# Altium PCB StEth32_modLED.PcbDoc (continued)
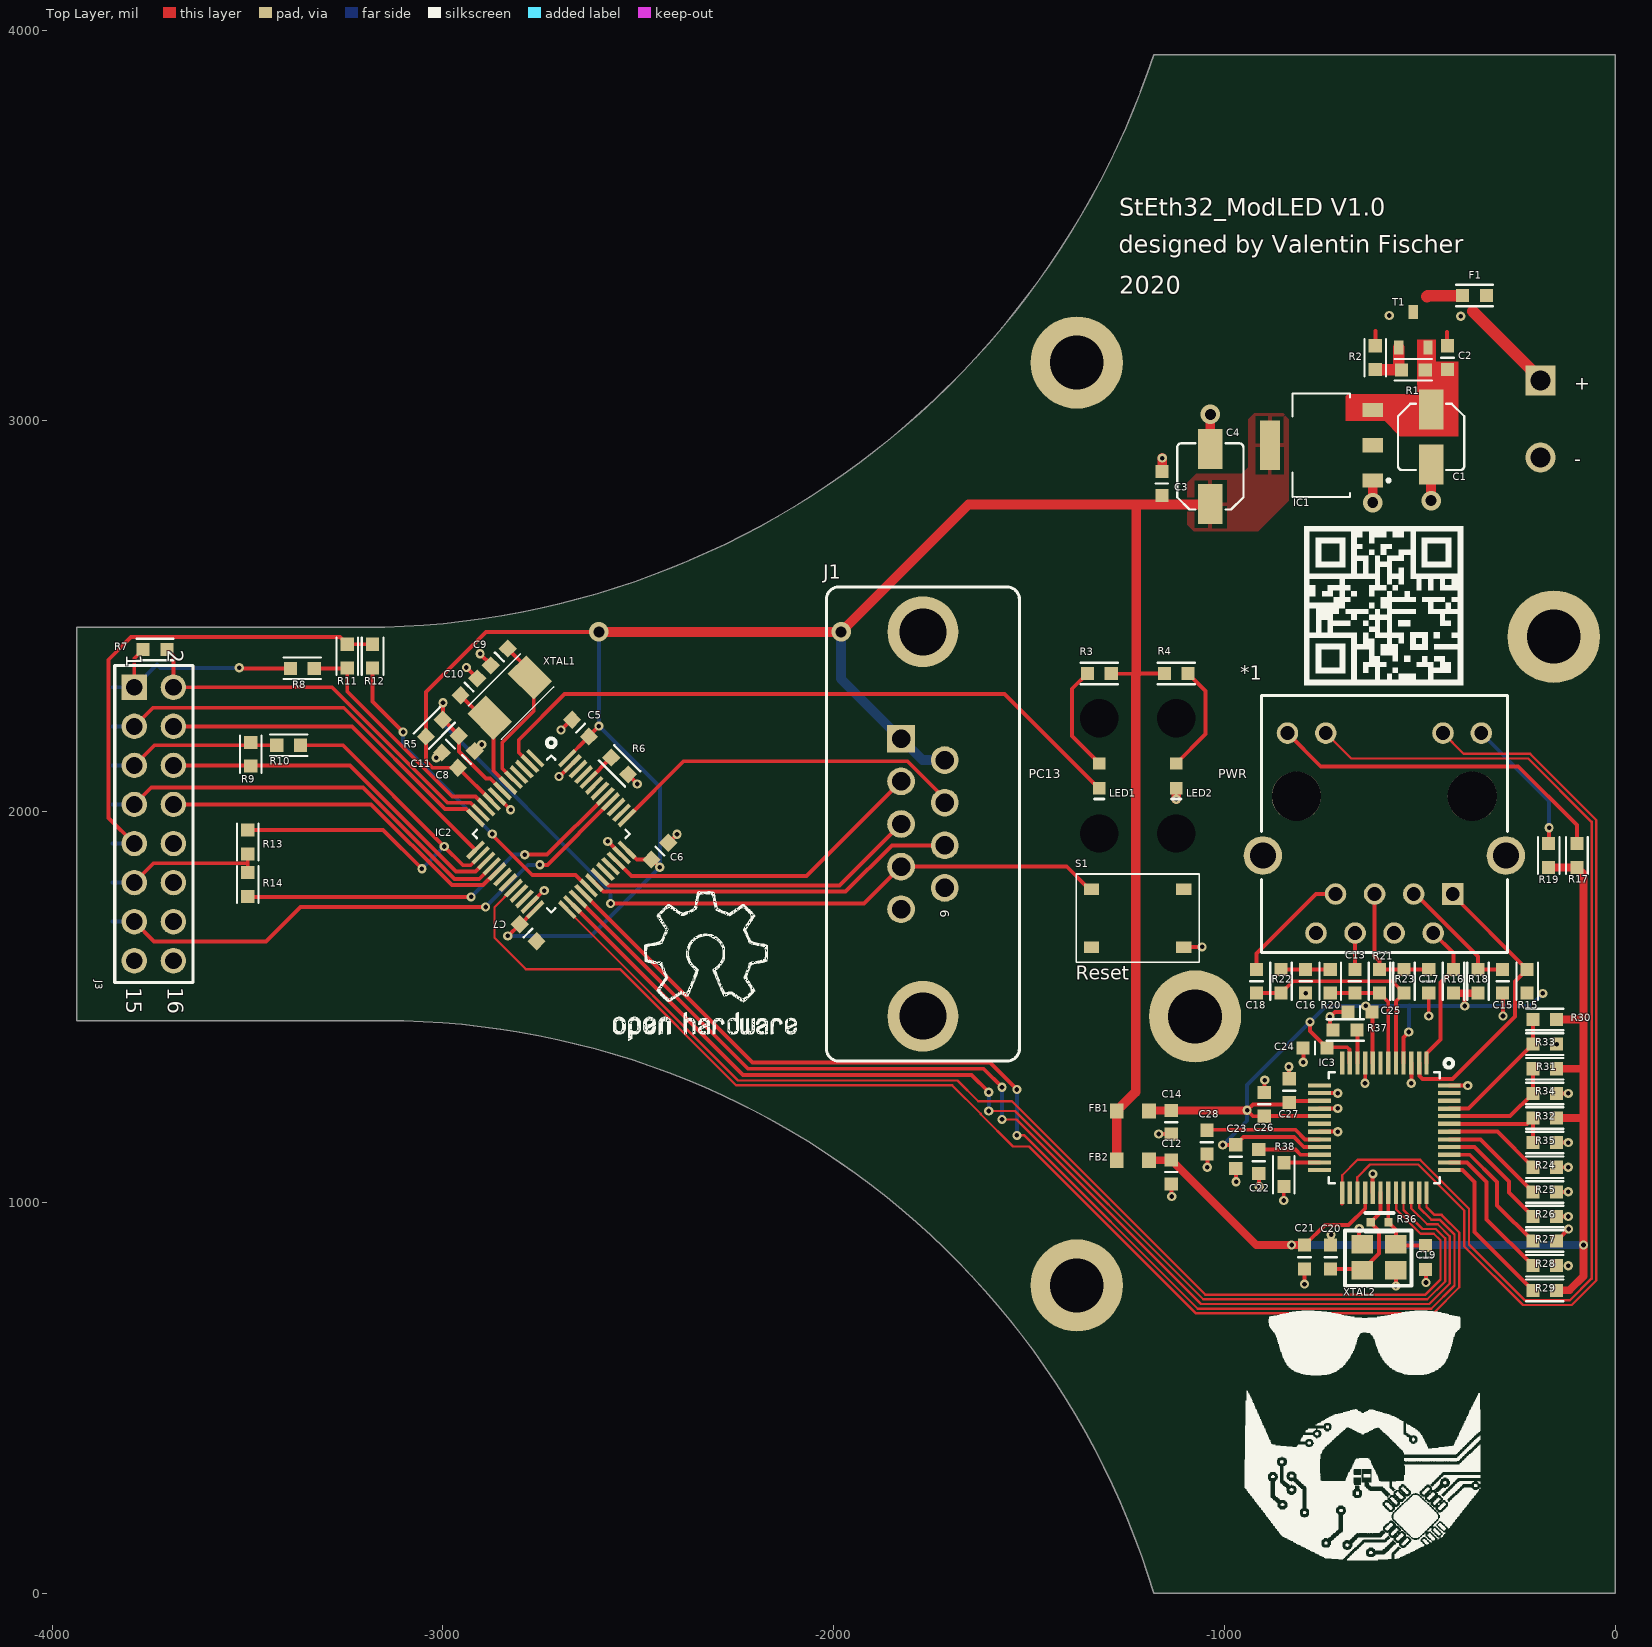
[diagram p0: Top Layer view]
## Part data (continued)
C16 C22: library part GCJ188R71C104KA01D, "CAP CER 0.1UF 16V X7R 0603", Digi-Key Part Number=490-5796-1-ND, Manufacturer="Murata Electronics North America", Operating Temperature="-55°C ~ 125°C", Package / Case="0603 (1608 Metric)", Ratings=AEC-Q200, Temperature Coefficient=X7R, Tolerance=±10%, Voltage=16V, @ qty=0, Applications="Automotive, Boardflex Sensitive", Datasheets=http://www.murata.com/~/media/webrenewal/support/library/catalog/products/capacitor/mlcc/c03e.ashx, Factory Stock=0, Features="Soft Termination", Height - Seated (Max)=-, Image=//media.digikey.com/Renders/Murata%20Renders/0603%28LQG18%29.jpg, Lead Spacing=-, Lead Style=-, Minimum Quantity=1, Mounting Type="Surface Mount, MLCC", Packaging="Cut Tape (CT)", Part Number=GCJ188R71C104KA01D, Part Status=Active, Quantity Available=22473, Series=GCJ, Size / Dimension="0.063\" L x 0.031\" W (1.60mm x 0.80mm)", Thickness (Max)="0.035\" (0.90mm)", Unit Price (USD)=0.21
C17: library part GCJ188R71H103KA01D, "CAP CER 10000PF 50V X7R 0603", Digi-Key Part Number=490-5762-1-ND, Manufacturer="Murata Electronics North America", Operating Temperature="-55°C ~ 125°C", Package / Case="0603 (1608 Metric)", Ratings=AEC-Q200, Temperature Coefficient=X7R, Tolerance=±10%, Voltage=50V, @ qty=0, Applications="Automotive, Boardflex Sensitive", Datasheets=http://www.murata.com/~/media/webrenewal/support/library/catalog/products/capacitor/mlcc/c03e.ashx, Factory Stock=0, Features="Soft Termination", Height - Seated (Max)=-, Image=//media.digikey.com/Renders/Murata%20Renders/0603%28LQG18%29.jpg, Lead Spacing=-, Lead Style=-, Minimum Quantity=1, Mounting Type="Surface Mount, MLCC", Packaging="Cut Tape (CT)", Part Number=GCJ188R71H103KA01D, Part Status=Active, Quantity Available=34868, Series=GCJ, Size / Dimension="0.063\" L x 0.031\" W (1.60mm x 0.80mm)", Thickness (Max)="0.031\" (0.80mm)", Unit Price (USD)=0.19
C21: library part GCM188R71C104KA37J, "CAP CER 0.1UF 16V X7R 0603", Digi-Key Part Number=490-8015-1-ND, Manufacturer="Murata Electronics North America", Operating Temperature="-55°C ~ 125°C", Package / Case="0603 (1608 Metric)", Ratings=AEC-Q200, Temperature Coefficient=X7R, Tolerance=±10%, Voltage=6.3V, @ qty=0, Applications=Automotive, Datasheets=http://www.murata.com/~/media/webrenewal/support/library/catalog/products/capacitor/mlcc/c03e.ashx, Factory Stock=0, Features=-, Height - Seated (Max)=-, Image=//media.digikey.com/Renders/Murata%20Renders/0603%28GCM188%29.jpg, Lead Spacing=-, Lead Style=-, Minimum Quantity=1, Mounting Type="Surface Mount, MLCC", Packaging="Cut Tape (CT)", Part Number=GCM188R71C104KA37J, Part Status=Active, Quantity Available=17844, Series=GCM, Size / Dimension="0.063\" L x 0.031\" W (1.60mm x 0.80mm)", Thickness (Max)="0.035\" (0.90mm)", Unit Price (USD)=0.18
C28: library part GCJ188R71C104KA01D, "CAP CER 0.1UF 16V X7R 0603", Digi-Key Part Number=490-5796-1-ND, Manufacturer="Murata Electronics North America", Operating Temperature="-55°C ~ 125°C", Package / Case="0603 (1608 Metric)", Ratings=AEC-Q200, Temperature Coefficient=X7R, Tolerance=±10%, Voltage=6.3V, @ qty=0, Applications="Automotive, Boardflex Sensitive", Datasheets=http://www.murata.com/~/media/webrenewal/support/library/catalog/products/capacitor/mlcc/c03e.ashx, Factory Stock=0, Features="Soft Termination", Height - Seated (Max)=-, Image=//media.digikey.com/Renders/Murata%20Renders/0603%28LQG18%29.jpg, Lead Spacing=-, Lead Style=-, Minimum Quantity=1, Mounting Type="Surface Mount, MLCC", Packaging="Cut Tape (CT)", Part Number=GCJ188R71C104KA01D, Part Status=Active, Quantity Available=22473, Series=GCJ, Size / Dimension="0.063\" L x 0.031\" W (1.60mm x 0.80mm)", Thickness (Max)="0.035\" (0.90mm)", Unit Price (USD)=0.21
F1 R1: library part ERJ-3EKF1001V, "RES SMD 1K OHM 1% 1/10W 0603", Digi-Key Part Number=P1.00KHCT-ND, Manufacturer="Panasonic Electronic Components", Operating Temperature="-55°C ~ 155°C", Package / Case="0603 (1608 Metric)", Power (Watts)="0.1W, 1/10W", Supplier Device Package=0603, Temperature Coefficient=±100ppm/°C, Tolerance=±1%, @ qty=1500, Composition="Thick Film", Datasheets=http://industrial.panasonic.com/www-cgi/jvcr13pz.cgi?E+PZ+3+AOA0002+ERJ3EKF1001V+7+WW, Factory Stock=0, Failure Rate=-, Features="Automotive AEC-Q200", Height - Seated (Max)="0.022\" (0.55mm)", Image=//media.digikey.com/Photos/Panasonic%20Photos/MFG_ERJ-P6W%20Series.jpg, Minimum Quantity=1, Number of Terminations=2, Packaging="Cut Tape (CT)", Part Number=ERJ-3EKF1001V, Part Status=Active, Quantity Available=5218845, Series=ERJ, Size / Dimension="0.063\" L x 0.031\" W (1.60mm x 0.80mm)", Unit Price (USD)=0.00379
FB1 FB2: library part 742792042, "WE-CBF SMT EMI Suppression Ferrite Bead, size 0805, 600Ohm, 0.2A", DC Resistance max.=0.5Ohm, Operating Temperature="-55 to +125degC", Rated Current=0.2A, ComponentLink1Description=Manufacturer, ComponentLink1URL=http://www.we-online.de, ComponentLink2Description=Datasheet, ComponentLink2URL=https://katalog.we-online.com/pbs/datasheet/742792042.pdf, Impedance@100 MHz=600Ohm, Impedance max.=3000Ohm, Mounting Technology=SMT, Packaging="Tape and Reel", Part Number=742792042, Published Date="March 2019", Publisher="Wurth Elektronik", Size=0805, Type="High Speed"
IC1: "Integrated Circuit", Manufacturer_Name="Advanced Monolithic Systems", Datasheet Link=http://www.advanced-monolithic.com/pdf/ds1117.pdf, Height=1.8mm, Manufacturer_Part_Number=AMS1117-5.0
J1: "Female PCB Connector WR-DSUB, Vertical, 9 pins", Contact Resistance="30 mOhm", Operating Temperature="-40 to 85 degC", Rated Current="3 A", Working Voltage="125 VAC", ComponentLink1Description=Manufacturer, ComponentLink1URL=http://www.we-online.de, ComponentLink2Description=Datasheet, ComponentLink2URL=https://katalog.we-online.de/em/datasheet/6180xx25123.pdf, Gender=Female, Mounting Technology=THT, Orientation=Vertical, Packaging=Tray, Part Number=61800925123, Pin Number=9, Published Date="September 2018", Publisher="Wurth Elektronik"
J2: "Serie 213 - 5.00 mm Horizontal Entry Modular with RisingCage Clamp WR-TBL, 2 pin", Operating Temperature="-40 to 105 degC", ComponentLink1Description=Manufacturer, ComponentLink1URL=http://www.we-online.de, ComponentLink2Description=Datasheet, ComponentLink2URL=http://katalog.we-online.de/em/datasheet/6912137100xx.pdf, Mounting Technology=THT, Packaging=Box, Part Number=691213710002, Pin Number=2, Pitch="5.00 mm", Published Date="June 2018", Publisher="Wurth Elektronik"
J3: library part 61301621121, "Pin Header WR-PHD, pitch 2.54 mm, THT, Vertical, dual row, 16 pin", Contact Resistance="20 mOhm", Insulation Resistance=">1000 MOhm", Operating Temperature="-40 to 105 degC", Rated Current="3 A", Working Voltage="250 VAC", ComponentLink1Description=Manufacturer, ComponentLink1URL=http://www.we-online.de, ComponentLink2Description=Datasheet, ComponentLink2URL=http://katalog.we-online.de/em/datasheet/6130xx21121.pdf, Mounting Technology=THT, Orientation=Vertical, Part Number=61301621121, Pin Number=16, Pitch="2.54 mm", Published Date="Jan. 2018", Publisher="Wurth Elektronik", Row Number=Dual
LED1 LED2: "SMD mono-color Chip LED, WL-SMCW, Super Red", Color="Super Red", ComponentLink1Description="Manufacturer URL", ComponentLink1URL=http://www.we-online.com, ComponentLink2Description=Datasheet, ComponentLink2URL=http://katalog.we-online.com/led/datasheet/150060SS75000.pdf, PackageReference=0603_A, PartNumber=150060SS75000
R2: library part ERJ-3EKF4701V, "RES SMD 4.7K OHM 1% 1/10W 0603", Digi-Key Part Number=P4.70KHCT-ND, Manufacturer="Panasonic Electronic Components", Operating Temperature="-55°C ~ 155°C", Package / Case="0603 (1608 Metric)", Power (Watts)="0.1W, 1/10W", Supplier Device Package=0603, Temperature Coefficient=±100ppm/°C, Tolerance=±1%, @ qty=1500, Composition="Thick Film", Datasheets=http://industrial.panasonic.com/www-cgi/jvcr13pz.cgi?E+PZ+3+AOA0002+ERJ3EKF4701V+7+WW, Factory Stock=0, Failure Rate=-, Features="Automotive AEC-Q200", Height - Seated (Max)="0.022\" (0.55mm)", Image=//media.digikey.com/Photos/Panasonic%20Photos/MFG_ERJ-P6W%20Series.jpg, Minimum Quantity=1, Number of Terminations=2, Packaging="Cut Tape (CT)", Part Number=ERJ-3EKF4701V, Part Status=Active, Quantity Available=999380, Series=ERJ, Size / Dimension="0.063\" L x 0.031\" W (1.60mm x 0.80mm)", Unit Price (USD)=0.00379
R3 R4 R17 R18 R19: library part ERJ-3EKF3300V, "RES SMD 330 OHM 1% 1/10W 0603", Digi-Key Part Number=P330HCT-ND, Manufacturer="Panasonic Electronic Components", Operating Temperature="-55°C ~ 155°C", Package / Case="0603 (1608 Metric)", Power (Watts)="0.1W, 1/10W", Supplier Device Package=0603, Temperature Coefficient=±100ppm/°C, Tolerance=±1%, @ qty=1500, Composition="Thick Film", Datasheets=http://industrial.panasonic.com/www-cgi/jvcr13pz.cgi?E+PZ+3+AOA0002+ERJ3EKF3300V+7+WW, Factory Stock=0, Failure Rate=-, Features="Automotive AEC-Q200", Height - Seated (Max)="0.022\" (0.55mm)", Image=//media.digikey.com/Photos/Panasonic%20Photos/MFG_ERJ-P6W%20Series.jpg, Minimum Quantity=1, Number of Terminations=2, Packaging="Cut Tape (CT)", Part Number=ERJ-3EKF3300V, Part Status=Active, Quantity Available=670984, Series=ERJ, Size / Dimension="0.063\" L x 0.031\" W (1.60mm x 0.80mm)", Unit Price (USD)=0.00379
R5 R6 R7 R8 R9 R10 R11 R12 R13 R14 R24 R25 R26 R27 R28 R29 R30 R31 R32 R33 R34 R35 R38: library part ERJ-3EKF1002V, "RES SMD 10K OHM 1% 1/10W 0603", Digi-Key Part Number=P10.0KHCT-ND, Manufacturer="Panasonic Electronic Components", Operating Temperature="-55°C ~ 155°C", Package / Case="0603 (1608 Metric)", Power (Watts)="0.1W, 1/10W", Supplier Device Package=0603, Temperature Coefficient=±100ppm/°C, Tolerance=±1%, @ qty=1500, Composition="Thick Film", Datasheets=http://industrial.panasonic.com/www-cgi/jvcr13pz.cgi?E+PZ+3+AOA0002+ERJ3EKF1002V+7+WW, Factory Stock=0, Failure Rate=-, Features="Automotive AEC-Q200", Height - Seated (Max)="0.022\" (0.55mm)", Image=//media.digikey.com/Photos/Panasonic%20Photos/MFG_ERJ-P6W%20Series.jpg, Minimum Quantity=1, Number of Terminations=2, Packaging="Cut Tape (CT)", Part Number=ERJ-3EKF1002V, Part Status=Active, Quantity Available=6703141, Series=ERJ, Size / Dimension="0.063\" L x 0.031\" W (1.60mm x 0.80mm)", Unit Price (USD)=0.00379
R15 R16 R20 R21 R22 R23: library part ERJ-3EKF49R9V, "RES SMD 49.9 OHM 1% 1/10W 0603", Digi-Key Part Number=P49.9HCT-ND, Manufacturer="Panasonic Electronic Components", Operating Temperature="-55°C ~ 155°C", Package / Case="0603 (1608 Metric)", Power (Watts)="0.1W, 1/10W", Supplier Device Package=0603, Temperature Coefficient=±100ppm/°C, Tolerance=±1%, @ qty=1500, Composition="Thick Film", Datasheets=http://industrial.panasonic.com/www-cgi/jvcr13pz.cgi?E+PZ+3+AOA0002+ERJ3EKF49R9V+7+WW, Factory Stock=0, Failure Rate=-, Features="Automotive AEC-Q200", Height - Seated (Max)="0.022\" (0.55mm)", Image=//media.digikey.com/Photos/Panasonic%20Photos/MFG_ERJ-P6W%20Series.jpg, Minimum Quantity=1, Number of Terminations=2, Packaging="Cut Tape (CT)", Part Number=ERJ-3EKF49R9V, Part Status=Active, Quantity Available=566023, Series=ERJ, Size / Dimension="0.063\" L x 0.031\" W (1.60mm x 0.80mm)", Unit Price (USD)=0.00379
R36: library part ERJ-2GEJ105X, "RES SMD 1M OHM 5% 1/10W 0402", Digi-Key Part Number=P1.0MJCT-ND, Manufacturer="Panasonic Electronic Components", Operating Temperature="-55°C ~ 155°C", Package / Case="0402 (1005 Metric)", Power (Watts)="0.1W, 1/10W", Supplier Device Package=0402, Temperature Coefficient=±200ppm/°C, Tolerance=±5%, @ qty=1500, Composition="Thick Film", Datasheets=http://industrial.panasonic.com/www-cgi/jvcr13pz.cgi?E+PZ+3+AOA0001+ERJ2GEJ105X+7+WW, Factory Stock=0, Failure Rate=-, Features="Automotive AEC-Q200", Height - Seated (Max)="0.016\" (0.40mm)", Image=//media.digikey.com/Photos/Panasonic%20Photos/ERJ-PA2-Series.jpg, Minimum Quantity=1, Number of Terminations=2, Packaging="Cut Tape (CT)", Part Number=ERJ-2GEJ105X, Part Status=Active, Quantity Available=1082572, Series=ERJ, Size / Dimension="0.039\" L x 0.020\" W (1.00mm x 0.50mm)", Unit Price (USD)=0.00350
R37: library part ERJ-3BQF1R1V, "RES SMD 12,4 KOHM 1% 1/4W 0603", Digi-Key Part Number=P17372CT-ND, Manufacturer="Panasonic Electronic Components", Operating Temperature="-55°C ~ 125°C", Package / Case="0603 (1608 Metric)", Power (Watts)="0.25W, 1/4W", Supplier Device Package=0603, Temperature Coefficient=±200ppm/°C, Tolerance=±1%, @ qty=1500, Composition="Thick Film", Datasheets=https://industrial.panasonic.com/cdbs/www-data/pdf/RDA0000/AOA0000C239.pdf, Factory Stock=0, Failure Rate=-, Features="Automotive AEC-Q200, Current Sense", Height - Seated (Max)="0.022\" (0.55mm)", Image=//media.digikey.com/Photos/Panasonic%20Photos/MFG_ERJ-P6W%20Series.jpg, Minimum Quantity=1, Number of Terminations=2, Packaging="Cut Tape (CT)", Part Number=ERJ-3BQF1R1V, Part Status=Active, Quantity Available=3896, Series=ERJ, Size / Dimension="0.063\" L x 0.031\" W (1.60mm x 0.80mm)", Unit Price (USD)=0.05386
S1: "6.1x3.7x2.5mm"
T1: "AO3401 MOSFET 30V"
XTAL1: library part 5032
XTAL2: library part 3225

## Free pads (board coordinates)
  round 236.22 hole 137.8 unplated: 0(-1377.95,787.4) 0(-1377.95,3149.61) 0(-1075,1476) 0(-157,2448)
  round 60 hole 98.43 unplated: 0(-1320.06,1944.15) 0(-1320.06,2239.43) 0(-1123.2,1944.15) 0(-1123.2,2239.43)

## Via types
v1: diameter 23.62, hole 11.81, Top Layer to Bottom Layer, tented both sides, 66 vias
v2: diameter 23.62, hole 11.81, Top Layer to Bottom Layer, 13 vias
v3: diameter 50, hole 28, Top Layer to Bottom Layer, 5 vias

## Nets (pads, with @x,y where several pads share a name; then routed paths per layer and width w, separated by ;. In a path a pad name is that pad's centre, name@x,y a point inside that pad or via, vN(x,y) a via of type N, cw(c..) or ccw(c..) an arc to the next point about the centre after c; other vN are vias at no path point)
3,3V: C3.1 C4.1 C5.1 C6.1 C7.1 C8.1 FB1.1 FB2.1 IC1.2 IC2.9 IC2.24 IC2.36 IC2.48 J1.1 J1.6 R3.1 R4.1 R5.2 | length 6363.8
  Top Layer w10: C8.1 -3027.17,2112.42 -3043.58,2128.83 R5.2 -3043.58,2306.42 -2890,2460 v3(-2601,2460) ; C8.1@-2959.58,2114.42 -2959.58,2110.28 IC2.9 ; v1(-2834,1682) -2833.15,1682 C7.1 ; C7.1@-2809.42,1703.42 -2809.42,1703.84 IC2.24 ; IC2.48 -2627.58,2191.16 -2627.58,2192.42 v1(-2601,2219) ; C5.1@-2627.89,2200.14 C5.1@-2627.71,2200.14 ; IC2.36 -2528.56,1901.99 -2504,1877.42 C6.1 -2464.42,1877.42 v1(-2445,1858) ; R3.1 -1273.61,2353 -1227.03,2353.39 -1225.61,2353.4 R4.1
  Top Layer w25: v3(-2601,2460) v3(-1981,2460) -1655,2786 -1221.63,2786 ; FB2.1 FB1.1 -1275.34,1235.97 -1270.12,1241.19 -1268.15,1241.19 -1227,1282.34 -1227,2350.07 -1225.61,2351.46 -1225.61,2353.4 -1225.61,2782.02 -1221.63,2786 ; C4.1 -1042.13,2781 -1047.13,2786 -1221.63,2786
  Bottom Layer w10: v1(-2834,1682) -2621,1682 v1(-2445,1858) -2445,2063 v1(-2601,2219) v3(-2601,2460)
  Bottom Layer w25: v3(-1981,2460) -1981,2340.06 J1.1 -1773.03,2132.09 J1.6
3,3VA: C14.1 C23.1 C24.1 C25.1 C26.1 C27.1 FB1.2 IC3.4 IC3.8 IC3.11 IC3.15 IC3.17 IC3.21 R15.2 R16.2 R18.2 | length 2498.2
  Top Layer w10: v1(-1004,1147) -971.51,1147 C23.1 -951.51,1167 -822,1167 -797,1142 IC3.21 ; v1@-942.49,1235.51 v1(-942,1236) ; C26.1 -926.49,1220.49 v1(-942,1236) ; C26.1@-894,1224.49 -890.51,1221 IC3.17 ; C27.1@-833,1260.49 C27.1@-833.49,1260 ; v1(-780.78,1461.95) -780.78,1438.29 C24.1 -735.49,1397 -685.49,1397 -679.63,1391.14 -679.63,1357.08 IC3.11 ; IC3.15 C27.1@-833.49,1260 ; C25.1 -620.55,1485.06 IC3.8 ; IC3.4 -541.55,1422.45 v1(-528,1436) ; -386.44,1535.49 -384,1533.05 -385,1532.04 v1(-385,1502.75) ; v1(-942,1236) -927,1251 -842.49,1251 C27.1@-833.49,1260
  Top Layer w20: FB1.2 -1191.15,1235.51 C14.1 v1@-942.49,1235.51 ; R16.2 -386.44,1535.49 R18.2
  Bottom Layer w10: v1(-1004,1147) -942,1209 v1(-942,1236) -942,1300.73 v1(-780.78,1461.95) -739.73,1503 v1(-638,1503) -527.25,1503 -526.25,1504 -525,1502.75 ; v1(-528,1436) -528,1499.75 -525,1502.75 ; v1(-185,1535) -217.25,1502.75 v1(-385,1502.75) -525,1502.75
3,3VD: C12.1 C21.1 FB2.2 IC3.28 R17.2 R19.2 R29.2 R30.2 R31.2 R32.2 | length 2912.8
  Top Layer w10: C21.1@-794.25,890.75 -743,942 -682,942 -639.55,984.45 IC3.28
  Top Layer w20: FB2.2 -1136.51,1108 C12.1 -918.49,891 v1(-828,891) ; C21.1@-796,891 v1(-828,891) ; C21.1 -795.24,890.76 -827.76,890.76 v1(-828,891) ; R19.2@-167,1857.49 R17.2 -81,1840.49 -81,1468 ; R29.2 -117,775 -81,811 v1(-81,891) -81,1217 ; R32.2 -82,1216 -81,1217 ; R31.2 -81,1342 ; R30.2 -81,1468 ; -81,1217 -81,1342 ; -81,1342 -81,1468
  Bottom Layer w20: v1@-827.76,891 v1(-81,891)
GND: 1.9 1.11 1.13 1.15 1.16 *1.8 C1.2 C2.2 C3.2 C4.2 C5.2 C6.2 C7.2 C8.2 C9.1 C10.1 C11.2 C12.2 C14.2 C15.1 C16.1 C17.2 C19.1 C20.1 C21.2 C22.2 C23.2 C24.2 C25.2 C26.2 C27.2 C28.2 IC1.1 IC2.8 IC2.23 IC2.35 IC2.47 IC3.3 IC3.9 IC3.14 IC3.16 IC3.19 IC3.29 IC3.48 J1.5 J1.9 J2.2 J3.10 J3.12 J3.14 J3.15 J3.16 LED2.1 R2.1 R6.1 R24.2 R25.2 R26.2 R27.2 R28.2 R33.1 R34.1 R35.1 R37.1 R38.1 S1.1 XTAL2.2 XTAL2.4 | length 2071.3
  Top Layer w10: v2(-2940,2369) C10.1 ; C8.2 -2917.42,2155.58 v2(-2901,2172) ; v2(-2905,2404) -2877.58,2376.58 C9.1 ; IC2.8 -2827.43,2005 v2(-2827,2005) ; IC2.23 -2742.13,1798 v2(-2741,1798) ; C7.2 C7.2@-2757.58,1668.42 ; v2(-2703,2090) -2701.86,2090 IC2.47 ; v2(-2698,2209) -2674.58,2232.42 C5.2@-2674.58,2235.58 ; v2(-2578,1924) -2578,1923.86 IC2.35 ; R6.1 -2503,2072 v1(-2503,2071) ; C6.2 -2422.42,1920.58 v1(-2401,1942) ; v1(-1168,1175) -1136.51,1175 C14.2 ; C12.2 -1135,1046.49 v1(-1135,1015) ; S1.1 -1057.46,1653.54 v2(-1057,1654) ; C28.2 -1043.75,1122.73 v1(-1043.75,1090.24) ; C23.2 -970,1085.49 v1(-970,1053) ; C22.2 -911,1073.49 v1(-911,1041) ; C26.2 -897,1282.51 v1(-897,1313) ; v1(-848,1005) R38.1 ; v1(-835,1347) -835,1317.51 C27.2 ; C24.2 -798,1394.49 v1(-798,1359) ; v1(-795,791) -795,827.49 -794,828.49 C21.2 ; IC3.19 v1(-710,1181) ; IC3.16 -710.5,1240 v1(-710,1240.5) ; IC3.14 -710.5,1280 v1(-710,1279.5) ; C20.1 -727,891.51 v1(-727,917) ; R37.1 -730,1449.49 v1(-730,1475) -729.33,1475 -717.33,1487 C25.2 ; v1(-655,933) -655,900.39 XTAL2.2 ; v1(-640.05,1305) -639.55,1305.5 IC3.9 ; v3@-630,2781.61 v3(-620.31,2791.31) ; IC3.29 -620.55,1072.45 v1(-620,1073) ; R2.1 -612,3194.51 -613,3195.51 -613,3230 ; v1(-561,786) XTAL2.4 ; v1(-521.55,1305) IC3.3 ; C19.1 -484,827.49 v1(-484,795) ; v1(-477,1477) C17.2 ; -430,3228 -430,3193.51 C2.2 ; IC3.48 v1(-377,1299) ; C15.1 -286,1533.49 -288,1531.49 -287,1530.49 v1(-287,1477) ; R27.2 -119,931.49 v1(-119,932) ; R26.2 v1(-120,964) ; R25.2 v1(-120,1027) ; R24.2 v1(-120,1090) ; R35.1 v1(-120,1153) ; R34.1 v1(-120,1279)
  Top Layer w25: C3.2 -1159,2871.51 v1(-1159,2905) ; v1(-1123.2,2031.75) LED2.1 ; C4.2 v3(-1036,3017) ; v3(-620.31,2791.31) IC1.1 ; v3(-471,2796) C1.2
  Bottom Layer w10: v3@-474,2793 v3(-471,2796)
  other v1: -120,838 -149.49,1405 -792,1535.49
  other v2: -3017,2138 -395,3268 -578,3270
Net1_1: 1.1 IC2.11 J3.2 R7.1 | length 1079.4
  Top Layer w10: R7.1 -3690.16,2398.67 J3.2 -3283.88,2318.5 -2988.37,2023 -2929.57,2023 -2904.02,1997.45 IC2.11
  Bottom Layer w10: J3.2 1.1
Net1_2: 1.2 J3.1 R7.2 R8.1 | length 590.2
  Top Layer w10: J3.1 -3790.16,2392.35 R7.2 ; v2(-3521.58,2368.25) -3520.33,2367 R8.1
  Bottom Layer w10: 1.2 J3.1 -3731.66,2377 -3722.91,2368.25 v2(-3521.58,2368.25)
Net1_3: 1.3 IC2.13 J3.4 | length 904.5
  Top Layer w10: J3.4 -3233.26,2218.5 IC2.13
Net1_4: 1.4 IC2.12 J3.3 | length 1066.2
  Top Layer w10: J3.3 -3742.66,2266 -3254,2266 -2995,2007 -2940.44,2007 -2917.45,1984.01 IC2.12
  Bottom Layer w10: 1.4 J3.3
Net1_5: 1.5 IC2.15 J3.6 R9.1 | length 924.8
  Top Layer w10: J3.6 -3689.9,2118.24 -3492,2118.24 -3238.24,2118.24 -2967,1847 -2917.29,1847 -2889.88,1874.41 IC2.15
Net1_6: 1.6 J3.5 R9.2 R10.1 | length 442.3
  Top Layer w10: J3.5 -3738.66,2170 -3492,2170 R10.1
  Bottom Layer w10: 1.6 J3.5
Net1_7: 1.7 IC2.17 J3.8 | length 928.5
  Top Layer w10: J3.8 -3183.76,2018.5 -2977.25,1812 -2897.13,1812 -2862.3,1846.83 IC2.17
Net1_8: 1.8 IC2.16 J3.7 | length 1099.7
  Top Layer w10: J3.7 -3746.68,2061.98 -3204.61,2061.98 -2970.63,1828 -2907.3,1828 IC2.16
  Bottom Layer w10: 1.8 J3.7
Net1_10: 1.10 J3.9 R11.1 R12.1 | length 1265
  Top Layer w10: J3.9 -3856,1984.35 -3856,2389 -3798,2447 -3263.49,2447 R11.1 -3177.51,2428.51 R12.1@-3177,2428
  Bottom Layer w10: 1.10 J3.9
Net1_12: 1.12 J3.11 R13.1 R14.1 | length 414.9
  Top Layer w10: J3.11 -3740.66,1868 -3538,1868 -3500,1868 ; R14.1 -3499.75,1868.03 R13.1
  Bottom Layer w10: 1.12 J3.11
Net1_14: 1.14 IC2.40 J3.13 | length 1444.6
  Top Layer w10: J3.13 -3739.65,1668 -3453,1668 -3365,1756 v1(-2891,1756) ; v1(-2752,1864) -2732.7,1864 IC2.40
  Bottom Layer w10: 1.14 J3.13 ; v1(-2891,1756) -2783,1864 v1(-2752,1864)
Net*1_1: *1.1 IC3.2 R15.1 | length 754.1
  Top Layer w10: IC3.2 -501.05,1356.5 -501.05,1323.05 -493.5,1315.5 -416.24,1315.5 -256,1475.74 -256,1565.51 R15.1 -415.55,1787.07 *1.1
Net*1_2: *1.2 IC3.1 R16.1 | length 382.1
  Top Layer w10: IC3.1 -482.55,1381.45 -447,1417 -447,1563.51 R16.1 -414,1637.82 *1.2
Net*1_3: *1.3 C15.2 R18.1 | length 326.7
  Top Layer w10: *1.3 -511.02,1789.37 -351,1629.35 R18.1 C15.2
Net*1_5: *1.5 C17.1 R21.1 R23.2 | length 324.1
  Top Layer w10: *1.5 -615.55,1630.55 -603,1618 R21.1 R23.2 C17.1
Net*1_6: *1.6 C13.2 | length 93
  Top Layer w10: -666,1615.8 -665.55,1616.24 ; C13.2@-665.55,1596.96 *1.6
Net*1_7: *1.7 C18.2 | length 306.1
  Top Layer w10: C18.2 -918,1637.05 -765.67,1789.37 *1.7
Net*1_9: *1.9 R19.1 | length 357.4
  Top Layer w6: *1.9@-344.27,2202.93 *1.9 ; R19.1 R19.1@-169,1919.51
  Top Layer w10: R19.1@-169,1919.51 v1(-169,1959)
  Bottom Layer w10: *1.9 -169,2027.66 v1(-169,1959)
Net*1_10: *1.10 IC3.27 | length 2556.3
  Top Layer w6: IC3.27 -659.55,1064.45 -627,1097 -504.05,1097 -386,978.95 -386,887.33 -235.94,737.27 -110.89,737.27 -48.19,799.97 -48.19,1978.86 -217.33,2148 -387.37,2148 *1.10
Net*1_11: *1.11 IC3.25 | length 2896.7
  Top Layer w6: *1.11 -675.37,2136 -222.3,2136 -60.19,1973.89 -60.19,804.94 -115.86,749.27 -230.97,749.27 -374,892.3 -374,983.92 -499.08,1109 -659,1109 -698.55,1069.45 IC3.25
  Top Layer w10: IC3.25@-699.05,996.95 -699.05,1024.5 IC3.25
Net*1_12: *1.12 R17.1 | length 888
  Top Layer w6: *1.12 *1.12@-836.84,2202.93
  Top Layer w10: *1.12 -753.4,2116 -248,2116 -98,1966 R17.1
NetC9_2: C9.2 IC2.5 XTAL1.1 | length 409
  Top Layer w10: C9.2 -2777.5,2360.65 XTAL1.1 -2767.75,2333.76 -2767.75,2257.25 -2848.29,2176.71 -2848.29,2110.71 IC2.5
NetC10_2: C10.2 IC2.6 XTAL1.2 | length 291
  Top Layer w10: C10.2 -2897.8,2240.5 XTAL1.2 -2870.76,2230.75 -2870.76,2104.9 IC2.6
NetC11_1: C11.1 IC2.7 J1.4 R5.1 S1.2 | length 2281.3
  Top Layer w10: v1(-3000,2279) -3000,2252.59 -3000.42,2252.17 R5.1 C11.1 -2959.42,2154.42 -2890,2085 -2879.14,2085 IC2.7 ; v1(-2571,1765) -1922.01,1765 J1.4 -1403.41,1859.45 -1345.14,1801.18 S1.2
  Bottom Layer w10: v1(-3000,2279) -3000,2224 -2571,1795 v1(-2571,1765)
NetC13_1: C13.1 IC3.6 R20.2 R21.2 | length 313.8
  Top Layer w10: R20.2 C13.1 R21.2 -580.55,1513.04 IC3.6
NetC16_2: C16.2 R20.1 R22.2 | length 126
  Top Layer w10: R22.2 C16.2 R20.1
NetC18_1: C18.1 IC3.5 R22.1 R23.1 | length 590.3
  Top Layer w10: C18.1 R22.1 -824.49,1566 -570.51,1566 R23.1 -560.55,1514.94 IC3.5
NetC19_2: C19.2 IC3.31 R36.2 XTAL2.1 | length 206.5
  Top Layer w10: IC3.31 -580.55,949.55 R36.2 -561,930 XTAL2.1 -557.51,889.51 C19.2@-496,889.51
NetC20_2: C20.2 IC3.30 R36.1 XTAL2.3 | length 303.8
  Top Layer w10: -711,829.49 -651.03,829.49 XTAL2.3 -643.68,826.07 -625.06,844.69 -625.06,848.63 -604,869.69 -604,927 R36.1 -600.55,974.45 IC3.30
NetC22_1: C22.1 IC3.22 | length 161
  Top Layer w10: C22.1 -818.51,1135.51 -805,1122 IC3.22
NetC28_1: C28.1 IC3.20 | length 309.7
  Top Layer w10: C28.1@-1045.75,1177.75 C28.1@-1038.26,1185.24 ; C28.1 -1043.5,1186 -818.37,1186 -793.37,1161 IC3.20
NetF1_1: F1.1 T1.D | length 89
  Top Layer w30: -481.6,3318.55 -479.87,3320.28 -393.75,3320.28 F1.1@-393.47,3320
NetIC2_2: IC2.2 LED1.1 | length 1692.5
  Top Layer w10: IC2.2 -2806,2151.86 -2806,2184 -2689,2301 -1563,2301 -1563,2301.63 LED1.1@-1332.17,2070.8 ; LED1.1@-1321.06,2059.28 LED1.1
NetIC2_10: IC2.10 R8.2 R11.2 | length 623
  Top Layer w10: R8.2 -3245.49,2367 R11.2 -3245,2307.63 -2976.37,2039 -2917.29,2039 -2889.88,2011.59 IC2.10
NetIC2_14: IC2.14 R10.2 R13.2 | length 1166.3
  Top Layer w10: R13.2 -3153.04,1953.04 v1(-3054,1854) ; R10.2 -3256,2170 v1(-2997,1911) -2949,1863 -2928.86,1863 IC2.14
  Bottom Layer w10: v1(-3054,1854) v1(-2997,1911)
NetIC2_20: IC2.20 IC3.36 | length 3330.7
  Top Layer w6: IC2.20 -2868.22,1755.36 -2868.22,1677.22 -2788,1597 -2546.71,1597 -2249.71,1300 -1697,1300 -1623.81,1226.81 -1623.81,1225.38 -1541.43,1143 -1500,1143 -1073,716 -465.69,716 -399,782.69 -399,922.88 -444.12,968 -462,968 -482.55,988.55 IC3.36
NetIC2_25: IC2.25 IC3.32 | length 2948.4
  Top Layer w6: IC2.25 -2244.74,1312 -1683,1312 -1630,1259 -1544,1259 -1049,764 -485.57,764 -447,802.57 -447,903 -464,920 -497.91,920 -560.55,982.64 IC3.32
NetIC2_26: IC2.26 IC3.33 | length 2991.3
  Top Layer w6: v1(-1603,1234) -1535.97,1234 -1053.97,752 -480.6,752 -435,797.6 -435,907.97 -459.03,932 -492.94,932 -541.55,980.61 IC3.33
  Top Layer w10: IC2.26@-2668.55,1761.98 IC2.26 -2231.86,1326 -1647,1326 v1(-1603,1282)
  Bottom Layer w10: v1(-1603,1234) v1(-1603,1282)
NetIC2_27: IC2.27 IC3.34 | length 3020.1
  Top Layer w6: v1(-1569.37,1212.37) -1532.37,1212.37 -1060,740 -475.63,740 -423,792.63 -423,912.94 -454.06,944 -481,944 -521.55,984.55 IC3.34
  Top Layer w10: IC2.27 -2219.58,1342 -1616.37,1342 v1(-1569.37,1295)
  Bottom Layer w10: v1(-1569.37,1212.37) v1(-1569.37,1295)
NetIC2_28: IC2.28 IC3.35 | length 3050.4
  Top Layer w6: v1(-1531,1171.54) -1511.57,1171.54 -1068.03,728 -470.66,728 -411,787.66 -411,917.91 -449.09,956 -470.55,956 -501.55,987 IC3.35
  Top Layer w10: IC2.28 -2207.3,1358 -1600.11,1358 v1(-1531,1288.89)
  Bottom Layer w10: v1(-1531,1171.54) v1(-1531,1288.89)
NetIC2_29: IC2.29 R12.2 | length 857.1
  Top Layer w10: R12.2 -3180,2282 v1(-3102,2204) ; v1(-2874,1943) -2874,1940.74 -2771.55,1838.29 -2660.71,1838.29 IC2.29
  Bottom Layer w10: v1(-3102,2204) -3102,2171 v1(-2874,1943)
NetIC2_30: IC2.30 J1.8 | length 955.6
  Top Layer w10: IC2.30 -2611.98,1818.55 -2588.87,1795.44 -1969.56,1795.44 -1851.02,1913.98 J1.8
NetIC2_31: IC2.31 J1.3 | length 844.9
  Top Layer w10: IC2.31 -2597.84,1832.69 -2576.59,1811.44 -1984.62,1811.44 J1.3
NetIC2_34: IC2.34 J1.2 | length 845.9
  Top Layer w10: IC2.34 -2517.61,1835.19 -2069.93,1835.19 J1.2
NetIC2_37: IC2.37 J1.7 | length 923.7
  Top Layer w10: IC2.37 -2384.26,2129 -1811,2129 -1715.75,2033.75 J1.7
NetIC2_41: IC2.41 R14.2 | length 1023
  Top Layer w10: R14.2 -3498.73,1782 v1(-2928,1782) ; v1(-2791,1890) -2733.57,1890 IC2.41 IC2.41@-2583.7,2039.17
  Bottom Layer w10: v1(-2928,1782) -2820,1890 v1(-2791,1890)
NetIC2_44: IC2.44 R6.2 | length 80.9
  Top Layer w10: IC2.44 -2626.56,2081.59 R6.2
NetIC3_10: IC3.10 R37.2 | length 84.4
  Top Layer w10: R37.2 -659.55,1440.06 IC3.10
NetIC3_23: IC3.23 R38.2 | length 91.7
  Top Layer w10: R38.2 -847.51,1102 IC3.23
NetIC3_37: IC3.37 R29.1 | length 416.4
  Top Layer w10: IC3.37 -424.05,1082.5 -390.38,1082.5 -360,1052.12 -360,924.49 R29.1
NetIC3_38: IC3.38 R28.1 | length 380
  Top Layer w10: IC3.38@-424.05,1101.5 IC3.38 -379,1102 -329,1052 -329,956.49 R28.1
NetIC3_39: IC3.39 R27.1 | length 340.4
  Top Layer w10: IC3.39 -372,1122 -302,1052 -302,992.49 R27.1
NetIC3_40: IC3.40 R26.1 | length 304.5
  Top Layer w10: IC3.40 -360,1142 -272,1054 -272,1025.49 R26.1
NetIC3_41: IC3.41 R25.1 | length 269.5
  Top Layer w10: IC3.41 -344.51,1161 R25.1
NetIC3_42: IC3.42 R24.1 | length 251.7
  Top Layer w10: IC3.42 -301.51,1181 R24.1
NetIC3_43: IC3.43 R32.1 R35.2 | length 283.3
  Top Layer w10: IC3.43 -225.51,1201 R32.1 R35.2
NetIC3_44: IC3.44 R31.1 R34.2 | length 301.1
  Top Layer w10: IC3.44 -268.51,1221 R34.2 R31.1
NetIC3_45: IC3.45 R30.1 R33.2 | length 345.4
  Top Layer w10: IC3.45 -375.51,1240 R33.2 R30.1
NetLED1_2: LED1.2 R3.2 | length 276
  Top Layer w10: R3.2 -1390,2314.57 -1390,2193.23 LED1.2
NetLED2_2: LED2.2 R4.2 | length 280.4
  Top Layer w10: LED2.2 -1048,2198.49 -1048,2309.31 R4.2
NetR1_2: R1.2 R2.2 T1.G | length 126.4
  Top Layer w30: R2.2 R1.2@-547.49,3131.49 ; T1.G -554,3138 R1.2@-547.49,3131.49 ; R1.2 R1.2@-547.49,3131.49
VCC: F1.2 J2.1 | length 250.2
  Top Layer w30: -364.49,3281 -214.39,3130.9 -214.39,3126.81 J2.1 J2.1@-190.49,3103.94
Vcc_F1: C1.1 C2.1 IC1.3 R1.1 T1.S | length 117
  Top Layer w30: T1.S -479.2,3137.78 R1.1 -429.49,3131 C2.1
pads on no net: *1.4 *1.MH1 *1.MH2 *1.S1 *1.S2 IC2.1 IC2.3 IC2.4 IC2.18 IC2.19 IC2.21 IC2.22 IC2.32 IC2.33 IC2.38 IC2.39 IC2.42 IC2.43 IC2.45 IC2.46 IC3.7 IC3.12 IC3.13 IC3.18 IC3.24 IC3.26 IC3.46 IC3.47 J1.M1 J1.M2 S1.3 S1.4

## Polygon pours and split planes (outlines as drawn)
GND on Bottom Layer "GND_L02_P011" (solid, pour order 11): -3928.01,1468.96 -3149.61,1468.96 cw(c-3149.61,-590.08) -1180.86,13 -4,13 -4,2763.97 -4,3933.01 -1178.21,3933.01 cw(c-3208.01,4605.56) -3149.5,2468.05 -3928.01,2468.05
no net on Bottom Layer "Top Layer-No Net" (solid, pour order 10): -2510,2809
3,3V on Top Layer "Top Layer-No Net" (solid, pour order 9): -924,3020 -938.94,3005.06 -938.94,2881.06 -955.62,2864.38 -1072.63,2864.38 -1095,2842.01 -1095,2735 -1077.94,2717.94 -913,2717.94 -835,2795.94 -835,3005 -850,3020

## Other copper
Top Layer:
  region net Vcc_F1: -467,3173 -467,3160 -465,3158
  region: -464,3201
  region net Vcc_F1: -550.67,2961.22 -589.45,3000 -690,3000 -690,3062.81 -683.8,3069 -506,3069 -506,3208 -459,3208 -459,3152 -401,3152 -401,2961.22

## Silkscreen, mask and mechanical layers (free items; w line width, h text height)
Top Overlay:
  drawing of 66 lines, arcs and shapes, not listed
  text "StEth32_ModLED V1.0" at -1269,3525 h45
  text "designed by Valentin Fischer" at -1270,3430 h45
  text "2020" at -1269,3326 h45
  text "+" at -104,3068 h60
  text "-" at -104,2874 h60
  text "PWR" at -1016,2078.44 h40
  text "PC13" at -1501,2078 h40
  text "Reset" at -1380,1558 h60
Mechanical 1:
  the board outline again, w10

## Text inside footprints (layer, text, board x,y; h text height)
1: Bottom Overlay "2" at -3862.2,2386.61 h39.37 r90; Bottom Overlay "15" at -3582.68,1577.95 h39.37 r90; Bottom Overlay "16" at -3862.2,1577.95 h39.37 r90
J1: Top Overlay "9" at -1696.85,1728.35 h40 r90
J3: Top Overlay "16" at -3704.72,1550.39 h39.37 r270; Top Overlay "15" at -3811.02,1550.39 h39.37 r270; Top Overlay "2" at -3704.72,2414.17 h39.37 r270; Top Overlay "1" at -3811.02,2402.36 h39.37 r270